# KiCad board RUST_Motherboard.pro.kicad_pcb (continued)
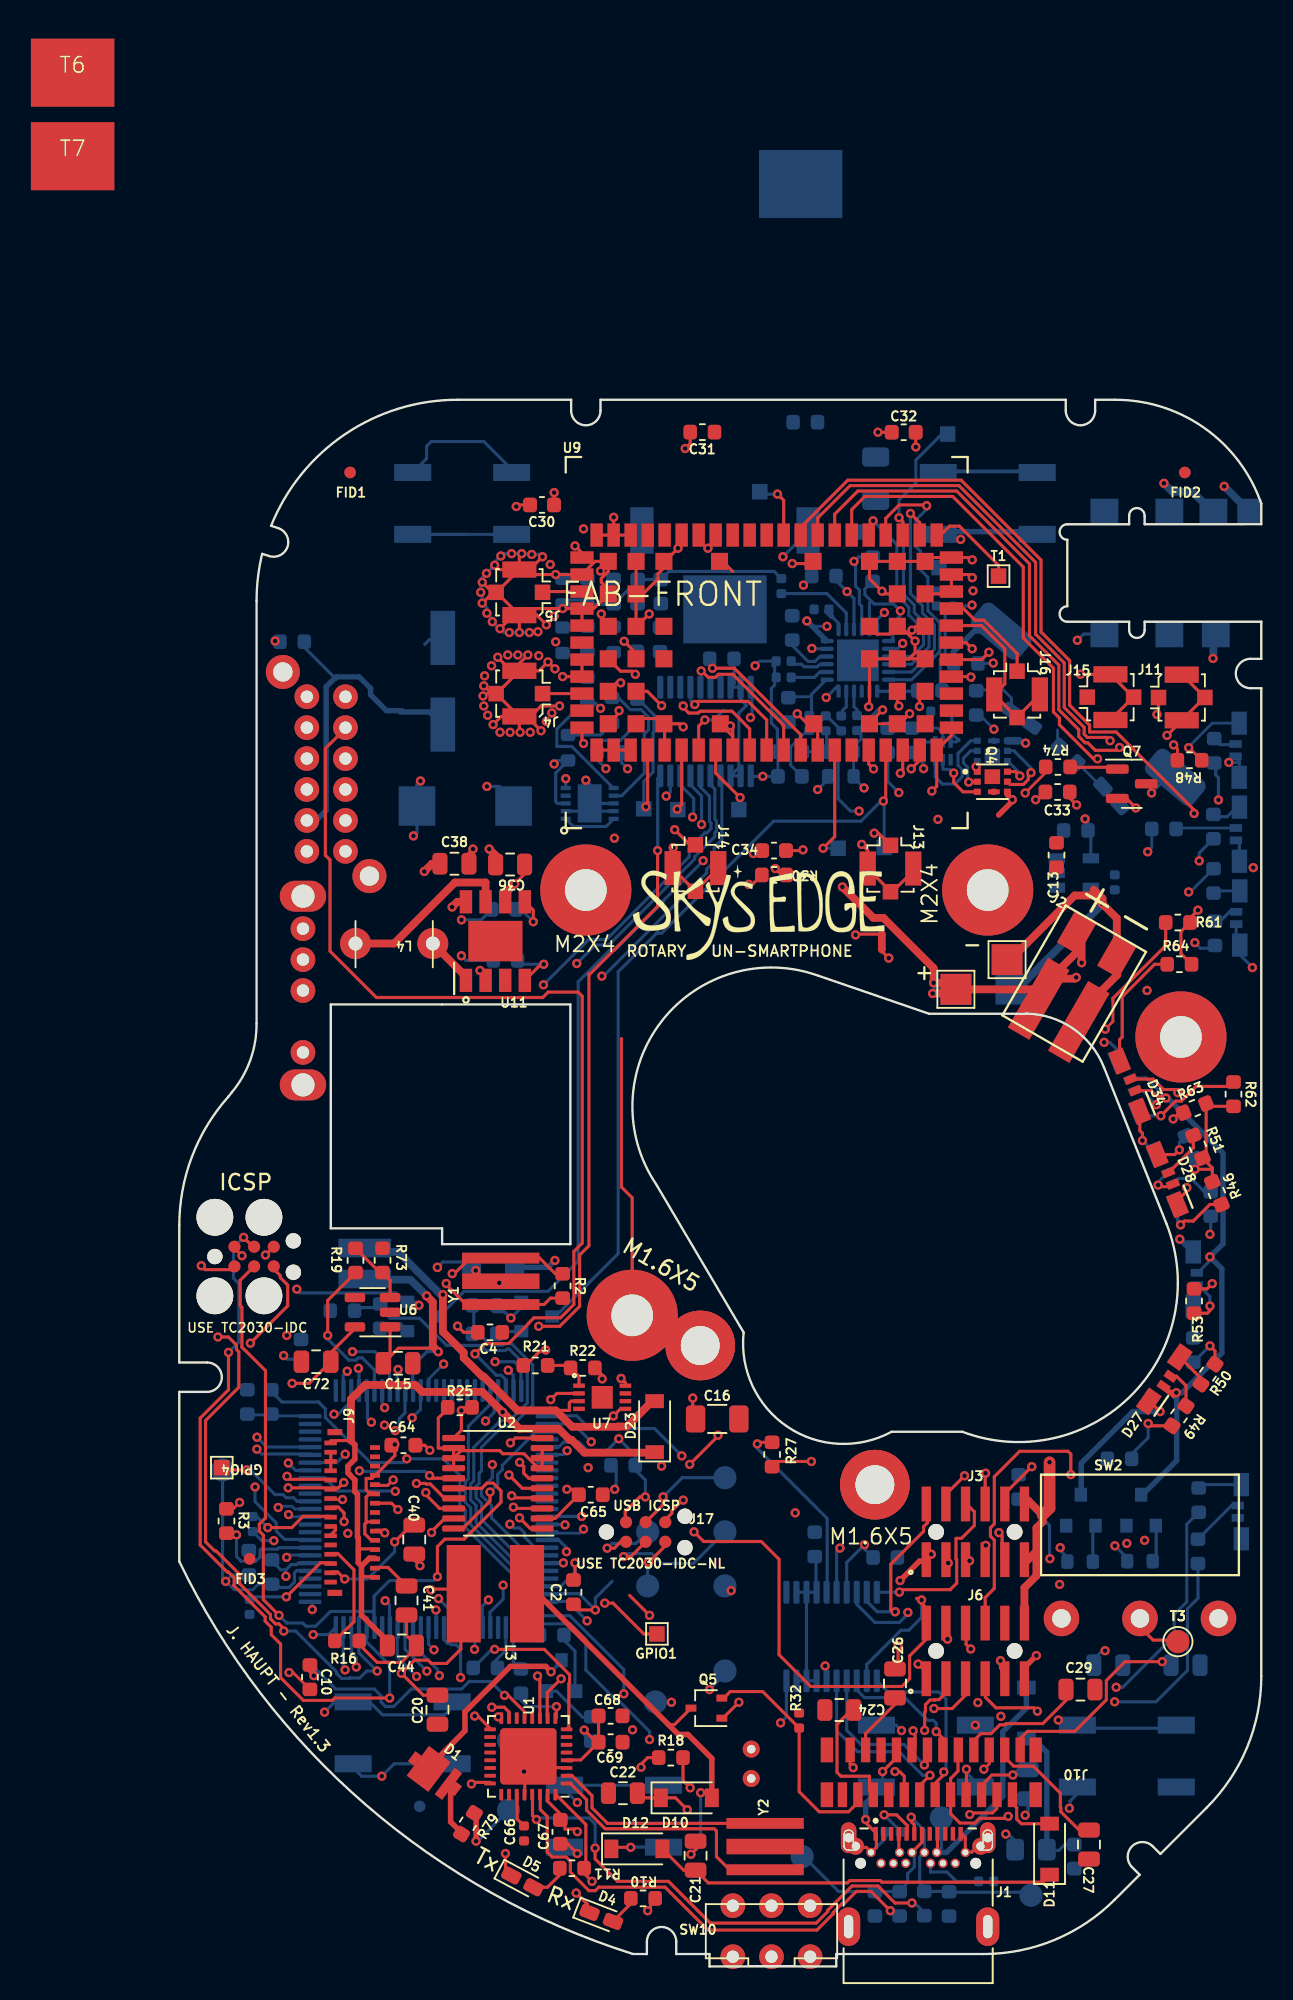
[diagram p0: board, top side]
## Library data of the parts
3V8 16MISO1 16MOSI1 16RES1 16SCK1 GND1 GPIO1 GPIO4 MISO1 MOSI1 RES1 SCK1 T1-T3 T8-T15 USBD+1 USBD-1 VBUS1 = -: Description: test point (alternative shape)
C1 C47 C62 C63 = -: Description: Unpolarized capacitor; Mfg. Name: Kemet; Mfg. Part No.: C0603C270J5GACTU
C2-C6 C10 = -: Description: Unpolarized capacitor; Distrib Part No.: 1276-1000-1-ND; Distrib. Name: Digi-Key; Label: 50V; Mfg. Name: Walsin; Mfg. Part No.: 0603B104K250CT
C7 C33 C49 C60 C61 C68 C69 = -: Description: Unpolarized capacitor; Mfg. Name: Walsin; Mfg. Part No.: 0603B103K500CT
C8 C9 = -: Description: Unpolarized capacitor; Distrib Part No.: 399-7918-1-ND; Distrib. Name: Digi-Key; Mfg. Name: Samsung; Mfg. Part No.: CL10C470JB8NNNC
C11 C18 C19 C34 C39 C42 C56 C64 C65 C67 = -: Description: Unpolarized capacitor; Mfg. Name: Walsin; Mfg. Part No.: 0603B104K250CT
C12 C13 = -: Description: Unpolarized capacitor; Mfg. Name: Samsung; Mfg. Part No.: CL10A475KQ8NNNC
C14 = -: Field8: CHRG. CAP.; Mfg. Name: Wurth; Mfg. Part No.: 865080243007
C15 C36 C38 C40 C72 = -: Description: Unpolarized capacitor; Mfg. Name: Kemet; Mfg. Part No.: C0805C105K4RACTU
C16 C17 C57 = -: Description: Unpolarized capacitor; Mfg. Name: TDK; Mfg. Part No.: CGA5L1X7R1V106K160AC
C20-C22 = -: Description: Unpolarized capacitor; Mfg. Name: Samsung; Mfg. Part No.: CL21A475KBQNNNE
C23-C29 = -: Description: Unpolarized capacitor; Mfg. Name: Yageo; Mfg. Part No.: CC0805KKX7R9BB105
C30 = -: Description: Unpolarized capacitor; Mfg. Name: Murata; Mfg. Part No.: GRM1555C1H680JA01J
C31 = -: Description: Unpolarized capacitor; Mfg. Name: Walsin; Mfg. Part No.: 0603N150J500CT
C32 = -: Description: Unpolarized capacitor; Mfg. Name: Yageo; Mfg. Part No.: CC0402DRNPO9BN8R2
C35 = -: Description: Unpolarized capacitor; Mfg. Name: Kemet; Mfg. Part No.: T520D337M006ATE045
C41 C44 = -: Description: Unpolarized capacitor; Mfg. Name: Kemet; Mfg. Part No.: C0805C475K3PACTU
C43 C45 C51-C53 C55 C58 C59 C66 = -: Description: Unpolarized capacitor; Mfg. Name: Kemet; Mfg. Part No.: C0402C105K9PACTU
C50 C54 = -: Description: Unpolarized capacitor; Mfg. Name: Kemet; Mfg. Part No.: C0603C225K9PACTU
D1 = -: Description: Light emitting diode; Color: WHITE; Mfg. Name: Osram; Mfg. Part No.: KW DSLP31.CC-GXHX-4J8K-Z444-60-R18
D2 = -: Description: Light emitting diode; Color: AMBER; Distrib Part No.: 1830-1066-1-ND; Distrib. Name: DigiKey; Mfg. Name: Inolux; Mfg. Part No.: IN-S63AT5Y
D3 = -: Description: Schottky diode; Distrib Part No.: MBR130T3GOSCT-ND; Distrib. Name: DigiKey; Mfg. Name: ON Semiconductor; Mfg. Part No.: MBR130T3G
D4 = -: Description: Light emitting diode; Color: Rx/GREEN; Distrib Part No.: 475-3442-1-ND‎; Distrib. Name: DigiKey; Mfg. Name: OSRAM; Mfg. Part No.: LT Q39G-Q1OO-25-1
D5 = -: Description: Light emitting diode; Color: Tx/YELLOW; Distrib Part No.: 1830-1066-1-ND‎; Distrib. Name: DigiKey; Mfg. Name: Inolux; Mfg. Part No.: IN-S63AT5Y
D6 = -: Description: Light emitting diode; Color: WHITE
D10-D12 = -: Description: 30V 0.5A Schottky Power Rectifier Diode, SOD-123; Mfg. Name: ON Semi; Mfg. Part No.: MBR0530
D16-D18 = -: Description: Bidirectional transient-voltage-suppression diode; Mfg. Name: AVX; Mfg. Part No.: USB0001DP
D22 = -: Description: Light emitting diode; Alt. Part No.: LTST-C191TBKT; Color: TEAL; Mfg. Name: Rohm; Mfg. Part No.: SMLE13EC8TT86
D23 = -: Description: 60V, 1A very low Vf MEGA Schottky barrier rectifier, SOD-123F; Mfg. Name: Nexperia; Mfg. Part No.: PMEG2005EGWJ
D25-D34 = -: Mfg. Name: Dialight; Mfg. Part No.: 5988560207F
J1 = -: Mfg. Name: CUI; Mfg. Part No.: UJ31-CH-G1-SMT-TR
J2 = -: Description: Generic connector, single row, 01x02, script generated (kicad-library-utils/schlib/autogen/connector/); Mfg. Name: Wago; Mfg. Part No.: 2059-302/998-403
J3 J6 = -: Description: Generic connector, single row, 01x12, script generated (kicad-library-utils/schlib/autogen/connector/); Mfg. Name: Samtec; Mfg. Part No.: FTSH-106-01-L-DV-P-TR
J4 J5 J11 J13-J16 = -: Description: coaxial connector (BNC, SMA, SMB, SMC, Cinch/RCA, LEMO, ...); Mfg. Name: Molex; Mfg. Part No.: 0734120110
J7 J17 = -: Description: Generic connector, double row, 02x03, counter clockwise pin numbering scheme (similar to DIP packge numbering), script generated (kicad-library-utils/schlib/autogen/connector/); Label: ICSP; Mfg. Name: Tag-Connect; Mfg. Part No.: Mating Connector: TC2030-IDC
J8 = -: Label: TRRS JACK; Mfg. Name: CUI; Mfg. Part No.: SJ-43617-SMT-TR
J9 = -: Description: Generic connector, single row, 01x31, script generated (kicad-library-utils/schlib/autogen/connector/); Alt. Mfg. Name: or Hirose; Alt. Mfg. Par No.: FH26W-31S-0.3SHW(60); Mfg. Name: Crystalfontz; Mfg. Part No.: CS030Z31G-A0
J10 = -: Description: Generic connector, single row, 01x24, script generated (kicad-library-utils/schlib/autogen/connector/); Mfg. Name: Molex; Mfg. Part No.: 0525592452
L1 = -: Distrib Part No.: 240-2390-1-ND; Distrib. Name: DigiKey; Label: Ferrite Bead; Mfg. Name: Laird; Mfg. Part No.: MI0805K601R-10
L2 = -: Description: Inductor; Mfg. Name: Wurth; Mfg. Part No.: 74438336047
L3 = -: Description: Inductor; Mfg. Name: Wurth; Mfg. Part No.: 744053100
L4 = -: Description: Inductor; Mfg. Name: Murata; Mfg. Part No.: 13R686C
L6-L8 = -: Mfg. Name: Murata; Mfg. Part No.: BLM15HD182SN1D
LOGO1 LOGO2 = -: Description: Open Hardware logo, small
LS1 = -: Description: Speaker; Mfg. Name: PUI Audio; Mfg. Part No.: AR01232MS-SC12-WP-R
MH1 MH3 MH4 MH8 = -: Description: Mounting Hole with connection
MH9 MH10 = -: Description: Mounting Hole without connection; Mfg. Name: PEM; Mfg. Part No.: SMTSO-M1.6-1ET
MK1 = -: Description: Condenser microphone; Mfg. Name: PUI Audio; Mfg. Part No.: POM-2738P-R
Q1 Q2 = -: Description: N-MOSFET transistor, gate/source/drain; Mfg. Name: Diodes Incorporated; Mfg. Part No.: DMG2302UK-7
Q3 Q4 = -: Mfg. Name: TI; Mfg. Part No.: CSD16301Q2
Q5 = -: Description: N-MOSFET transistor, gate/source/drain; Alt. Part No.: NX3020NAKW,115; Mfg. Name: Vishay; Mfg. Part No.: SI1308EDL-T1-GE3
Q6-Q9 = -: Description: 0.2A Ic, 40V Vce, Small Signal NPN Transistor, SOT-23; Mfg. Name: Fairchild
R1 R18 R25 R28 R30 R33 R39 R75 = -: Description: Resistor, US symbol; Mfg. Name: TE; Mfg. Part No.: CRG0603F10K/10
R2 = -: Description: Resistor, US symbol; Distrib Part No.: 311-1.00MHRCT-ND; Distrib. Name: Digi-Key; Mfg. Name: TE; Mfg. Part No.: CRGCQ0603J1M0
R3 R6 R7 = -: Description: Resistor, US symbol; Distrib Part No.: RMCF0603JT27R0CT-ND; Distrib. Name: Digi-Key; Mfg. Name: TE; Mfg. Part No.: CRG0603F27R
R4 R5 = -: Description: Resistor, US symbol; Mfg. Name: Yageo; Mfg. Part No.: RC0402FR-075K1L
R8-R11 = -: Description: Resistor, US symbol; Distrib Part No.: P1.0KGCT-ND; Distrib. Name: Digi-Key; Mfg. Name: KOA; Mfg. Part No.: RK73H1JTTD1001F
R12 = -: Description: Resistor, US symbol; Mfg. Name: Yageo; Mfg. Part No.: RC0603JR-07330RL
R13 R38 = -: Description: Resistor, US symbol; Mfg. Name: TE; Mfg. Part No.: CRGCQ0402J2K2
R14 = -: Description: Resistor, US symbol; Label: Hi Rate; Mfg. Name: TE; Mfg. Part No.: CRGCQ0402J2K2
R15 = -: Description: Resistor, US symbol; Mfg. Name: Panasonic; Mfg. Part No.: ERJ-3GEYJ100V
R16 = -: Description: Resistor, US symbol; Mfg. Name: Panasonic; Mfg. Part No.: ERJ-3GEYJ514V
R17 R45-R64 = -: Description: Resistor, US symbol; Distrib Part No.: A130092CT-ND; Distrib. Name: Digi-Key; Mfg. Name: Yageo; Mfg. Part No.: RC0603JR-071K5L
R19 R20 R40 R65 = -: Description: Resistor, US symbol; Mfg. Name: Yageo; Mfg. Part No.: RC0603FR-07100RL
R21 = -: Description: Resistor, US symbol; Mfg. Name: Stackpole; Mfg. Part No.: RMCF0603FT1M05
R22 R26 R27 = -: Description: Resistor, US symbol; Mfg. Name: Vishay; Mfg. Part No.: CRCW0603120KJNEA
R23 R24 R34 R41 R73 = -: Description: Resistor, US symbol; Mfg. Name: TE; Mfg. Part No.: CRGCQ0603J1M0
R29 R42 R43 R67-R71 R74 R78 = -: Description: Resistor, US symbol; Mfg. Name: KOA; Mfg. Part No.: RK73H1JTTD1001F
R32 = -: Description: Resistor, US symbol; Mfg. Name: Panasonic; Mfg. Part No.: ERJ-2BQJR47X; Note: SETS COMPATIBILITY FOR GDEW029I6F
R35 R66 R72 = -: Description: Resistor, US symbol; Mfg. Name: Bourns; Mfg. Part No.: CR0603-J/-000ELF
R36 R37 = -: Description: Resistor, US symbol; Mfg. Name: TE; Mfg. Part No.: CRG0603F4K7
R44 = -: Description: Resistor, US symbol; Mfg. Name: Vishay; Mfg. Part No.: CRCW0603160RFKEA
R79 = -: Description: Resistor, US symbol; Mfg. Name: TE; Mfg. Part No.: CRGCQ0603F18R
SW1 = -: Distrib Part No.: CKN9561-ND; Distrib. Name: DigiKey; Label: Mode; Mfg. Name: C&K; Mfg. Part No.: OS103011MA7QP1
SW2 = -: Mfg. Name: Omron; Mfg. Part No.: D2F-01FL2-A1
SW3 SW5 SW6 SW8 = -: Description: Push button switch, generic, two pins; Label: SIG STRENGTH; Mfg. Name: Panasonic; Mfg. Part No.: EVQ-Q2Y03W
SW4 = -: Description: Push button switch, generic, two pins; Label: CLEAR; Mfg. Name: Panasonic; Mfg. Part No.: EVQ-Q2Y03W
SW7 = -: Description: Push button switch, generic, two pins; Label: HOOK; Mfg. Name: Panasonic; Mfg. Part No.: EVQ-Q2Y03W
SW9 = -: Mfg. Name: E-Switch; Mfg. Part No.: EG4208
SW10 = -: Mfg. Name: Nidec Copal; Mfg. Part No.: CL-SB-22C-11
T4-T7 = -: Description: SMT Cable Clip; Mfg. Name: Harwin; Mfg. Part No.: S8101-46R
TP1-TP4 = -: Description: test point
U1 = -: Mfg. Name: ATmega; Mfg. Part No.: ATmega16U2-MU
U2 U8 = -: Label: (3.8V -> 3.3V SHIFTER); Mfg. Name: TI
U3 = -: Description: Voltage and Current Protection for Single-Cell Li-Ion and Li-Polymer Batteries; Mfg. Name: TI; Mfg. Part No.: BQ29703DSET
U4 = -: Distrib Part No.: ATMEGA1280-16AUR; Distrib. Name: Digi-Key; Mfg. Name: Microchip Technology; Mfg. Part No.: ATMEGA2560V-8AUR
U5 = -: Description: Single cell, Li-Ion/Li-Po charge management controller, 4.20V, Tri-State Status Output, in SOT23-5 package; Mfg. Name: Microchip; Mfg. Part No.: MCP73831T-2ACI/OT
U6 = -: Description: 600mA low dropout linear regulator, with enable pin, 3.8V-6V input voltage range, 3.3V fixed positive output, SOT-23-5; Mfg. Name: Diodes Inc.
U7 = -: Mfg. Name: Microchip; Mfg. Part No.: MCP1661T-E/MNY
U9 = -: Mfg. Name: u-blox
U10 = -: Label: (3.8V -> 1.8V SHIFTER); Mfg. Name: TI
U11 = -: Mfg. Name: Diodes Inc.; Mfg. Part No.: ZXBM5210-SP-13 or BA6287F-E2
U12 = -: Mfg. Name: Maxim; Mfg. Part No.: MAX9860ETG+
U13 = -: Description: Dual Rail-to-Rail Input/Output Amplifiers, with disable, SC-70-6/SOT-23-6; Mfg. Name: Analog; Mfg. Part No.: ADA4807-2ACPZ-R7
Y1 Y2 = -: Description: Three pin ceramic resonator; Label: 16MHz; Mfg. Name: Abracon; Mfg. Part No.: AWSCR-16.00CV-T

## Footprints (pads in the part's own frame, mm; a bottom-side part is the same pattern mirrored in y, then rotated)
ATmega_TQFP-100_14x14mm_P0.5mm
  rrect 1.475x0.28 smd: 1(7.662,-6) 2(7.662,-5.5) 3(7.662,-5) 4(7.662,-4.5) 5(7.662,-4) 6(7.662,-3.5) 7(7.662,-3) 8(7.662,-2.5) 9(7.662,-2) 10(7.662,-1.5) 11(7.662,-1) 12(7.662,-0.5) 13(7.662,0) 14(7.662,0.5) 15(7.662,1) 16(7.662,1.5) 17(7.662,2) 18(7.662,2.5) 19(7.662,3) 20(7.662,3.5) 21(7.662,4) 22(7.662,4.5) 23(7.662,5) 24(7.662,5.5) 25(7.662,6) 51(-7.662,6) 52(-7.662,5.5) 53(-7.662,5) 54(-7.662,4.5) 55(-7.662,4) 56(-7.662,3.5) 57(-7.662,3) 58(-7.662,2.5) 59(-7.662,2) 60(-7.662,1.5) 61(-7.662,1) 62(-7.662,0.5) 63(-7.662,0) 64(-7.662,-0.5) 65(-7.662,-1) 66(-7.662,-1.5) 67(-7.662,-2) 68(-7.662,-2.5) 69(-7.662,-3) 70(-7.662,-3.5) 71(-7.662,-4) 72(-7.662,-4.5) 73(-7.662,-5) 74(-7.662,-5.5) 75(-7.662,-6)
  rrect 0.28x1.475 smd: 26(6,7.662) 27(5.5,7.662) 28(5,7.662) 29(4.5,7.662) 30(4,7.662) 31(3.5,7.662) 32(3,7.662) 33(2.5,7.662) 34(2,7.662) 35(1.5,7.662) 36(1,7.662) 37(0.5,7.662) 38(0,7.662) 39(-0.5,7.662) 40(-1,7.662) 41(-1.5,7.662) 42(-2,7.662) 43(-2.5,7.662) 44(-3,7.662) 45(-3.5,7.662) 46(-4,7.662) 47(-4.5,7.662) 48(-5,7.662) 49(-5.5,7.662) 50(-6,7.662) 76(-6,-7.662) 77(-5.5,-7.662) 78(-5,-7.662) 79(-4.5,-7.662) 80(-4,-7.662) 81(-3.5,-7.662) 82(-3,-7.662) 83(-2.5,-7.662) 84(-2,-7.662) 85(-1.5,-7.662) 86(-1,-7.662) 87(-0.5,-7.662) 88(0,-7.662) 89(0.5,-7.662) 90(1,-7.662) 91(1.5,-7.662) 92(2,-7.662) 93(2.5,-7.662) 94(3,-7.662) 95(3.5,-7.662) 96(4,-7.662) 97(4.5,-7.662) 98(5,-7.662) 99(5.5,-7.662) 100(6,-7.662)
AudioJack_TRRS_CUI_SJ-43617-SMT-TR
  rect 1.6x1.6 smd: 1(-3.8,4)
  rect 1.8x1.6 smd: 2(5.6,-4) 3(1.4,-4) 4(-1.6,-4) 10(5.6,4) 11(1.4,4) 12(-1.45,4)
AWSCR-16.00CV-T
  rect 0.7x5 smd: 1(-1.5,0) 3(1.5,0)
  rect 1x5 smd: 2(0,0)
BoostConverter_MCP1661
  rect 1.36x1.46 smd: (0,0)
  rect 0.75x0.28 smd: 1(-1.5,0.75) 2(-1.5,0.25) 3(-1.5,-0.25) 4(-1.5,-0.75) 5(1.5,-0.75) 6(1.5,-0.25) 7(1.5,0.25) 8(1.5,0.75)
BournsInductor_RLB9012-472KL
  round 2 hole 0.9: 1(-2.5,-0.04) 2(2.5,-0.04)
C_0402_1005Metric
  rrect 0.59x0.64 smd: 1(-0.485,0) 2(0.485,0)
C_0603_1608Metric
  rrect 0.9x0.95 smd: 1(-0.775,0) 2(0.775,0)
C_0805_2012Metric
  rrect 0.975x1.4 smd: 1(-0.938,0) 2(0.938,0)
C_0805_2012Metric#2
  rrect 1x1.45 smd: 1(-0.95,0) 2(0.95,0)
C_2917
  rect 2.37x2.55 smd: 1(3.125,-0.05) 2(-3.125,-0.05)
CableClip_Harwin-S8101-46R
  rect 5.4x4.4 smd: 1(0,0)
Capacitor_Wurth865080243007
  rect 3.5x1.6 smd: 1(2.8,0) 2(-2.8,0)
CellModule_LARA
  rect 0.8x1.5 smd: 1(-11,-6.95) 2(-9.9,-6.95) 3(-8.8,-6.95) 4(-7.7,-6.95) 5(-6.6,-6.95) 6(-5.5,-6.95) 7(-4.4,-6.95) 8(-3.3,-6.95) 9(-2.2,-6.95) 10(-1.1,-6.95) 11(0,-6.95) 12(1.1,-6.95) 13(2.2,-6.95) 14(3.3,-6.95) 15(4.4,-6.95) 16(5.5,-6.95) 17(6.6,-6.95) 18(7.7,-6.95) 19(8.8,-6.95) 20(9.9,-6.95) 21(11,-6.95) 33(11,6.95) 34(9.9,6.95) 35(8.8,6.95) 36(7.7,6.95) 37(6.6,6.95) 38(5.5,6.95) 39(4.4,6.95) 40(3.3,6.95) 41(2.2,6.95) 42(1.1,6.95) 43(0,6.95) 44(-1.1,6.95) 45(-2.2,6.95) 46(-3.3,6.95) 47(-4.4,6.95) 48(-5.5,6.95) 49(-6.6,6.95) 50(-7.7,6.95) 51(-8.8,6.95) 52(-9.9,6.95) 53(-11,6.95)
  rect 1.5x0.8 smd: 22(11.95,-5.5) 23(11.95,-4.4) 24(11.95,-3.3) 25(11.95,-2.2) 26(11.95,-1.1) 27(11.95,0) 28(11.95,1.1) 29(11.95,2.2) 30(11.95,3.3) 31(11.95,4.4) 32(11.95,5.5) 54(-11.95,5.5) 55(-11.95,4.4) 56(-11.95,3.3) 57(-11.95,2.2) 58(-11.95,1.1) 59(-11.95,0) 60(-11.95,-1.1) 61(-11.95,-2.2) 62(-11.95,-3.3) 63(-11.95,-4.4) 64(-11.95,-5.5)
  rect 1.1x1.1 smd: 65(-10.25,-5.25) 66(-10.25,-3.15) 67(-10.25,-1.05) 68(-10.25,1.05) 69(-10.25,3.15) 70(-10.25,5.25) 71(-8.45,-5.25) 72(-8.45,-3.15) 73(-8.45,-1.05) 74(-8.45,1.05) 75(-8.45,3.15) 76(-8.45,5.25) 77(-6.65,-5.25) 78(-6.65,5.25) 79(-3,-5.25) 80(-3.05,5.25) 81(3.05,-5.25) 82(3,5.25) 83(6.65,-5.25) 84(6.65,5.25) 85(8.45,-5.25) 86(8.45,-3.15) 87(8.45,-1.05) 88(8.45,1.05) 89(8.45,3.15) 90(8.45,5.25) 91(10.25,-5.25) 92(10.25,-3.15) 93(10.25,-1.05) 94(10.25,1.05) 95(10.25,3.15) 96(10.25,5.25) 97(-6.65,-1.05) 98(-6.65,1.05) 99(6.65,-1.05) 100(6.65,1.05)
ContactPad_SMTSO-M2-3ET
  round 5.9 hole 2.7: 1(0,0)
D_SOD-123
  rect 0.9x1.2 smd: 1(-1.65,0) 2(1.65,0)
DFN-10-1EP_3x3mm_P0.5mm_EP1.55x2.48mm
  rect 0.6x1.05 smd: (-0.388,-0.62) (-0.388,0.62) (0.388,-0.62) (0.388,0.62)
  rect 0.65x0.28 smd: 1(-1.55,1) 2(-1.55,0.5) 3(-1.55,0) 4(-1.55,-0.5) 5(-1.55,-1) 6(1.55,-1) 7(1.55,-0.5) 8(1.55,0) 9(1.55,0.5) 10(1.55,1)
  rect 1.55x2.48 smd: 11(0,0)
Fiducial_0.75mm_1.5mm
  round 0.75 smd: ~(0,0)
FilamentLED_20mm
  rrect 4x2 smd: 1(-6.7,0) 2(8,0)
Hirose_FPC_FH26W-31S-0.3SHW(60)
  rect 0.4x0.95 smd: (-5.2,1.125) (5.2,1.125)
  rect 0.3x0.8 smd: 1(-4.5,1.4) 3(-3.9,1.4) 5(-3.3,1.4) 7(-2.7,1.4) 9(-2.1,1.4) 11(-1.5,1.4) 13(-0.9,1.4) 15(-0.3,1.4) 17(0.3,1.4) 19(0.9,1.4) 21(1.5,1.4) 23(2.1,1.4) 25(2.7,1.4) 27(3.3,1.4) 29(3.9,1.4) 31(4.5,1.4)
  rect 0.3x0.65 smd: 2(-4.2,-1.475) 4(-3.6,-1.475) 6(-3,-1.475) 8(-2.4,-1.475) 10(-1.8,-1.475) 12(-1.2,-1.475) 14(-0.6,-1.475) 16(0,-1.475) 18(0.6,-1.475) 20(1.2,-1.475) 22(1.8,-1.475) 24(2.4,-1.475) 26(3,-1.475) 28(3.6,-1.475) 30(4.2,-1.475)
Inductor10uH_Wurth_744053100
  rect 6.3x2.2 smd: 1(0,-2.05) 2(0,2.05)
Inductor_Wurth_74438336100
  rect 3.4x1.2 smd: 1(0,-0.95) 2(0,1.05)
L_0402_1005Metric
  rrect 0.59x0.64 smd: 1(-0.485,0) 2(0.485,0)
LED_0603_1608Metric_Castellated
  rrect 1.225x0.85 smd: 1(-0.812,0) 2(0.812,0)
LED_Dialight_5988560207F
  rect 0.5x0.8 smd: 1(0.4,0) 2(-0.4,0)
  rect 1.5x1 smd: 3(1.75,0.23) 4(-1.75,0.23)
LED_Dialight_5988560207F#2
  rect 0.5x0.8 smd: 1(0.4,-0.225) 2(-0.4,-0.225)
  rect 1.5x1 smd: 3(1.75,0.005) 4(-1.75,0.005)
LimitSwitch_D2F-01FL2-A1
  round 2.3 hole 1.2: 1(5.08,-4.3) 2(0,-4.3) 3(-5.08,-4.3)
Microphone_PUI_POM-2738P-R
  round 1.1 hole 0.55: 1(-0.95,0.8) 2(0.95,0.8)
Molex_24pFPC_Vert_0525592452
  rect 0.8x1.6 smd: (-7,1.5) (-7,-1.4) (6.5,1.5) (6.5,-1.4)
  rect 0.6x1.6 smd: 1(5.5,1.5) 2(5,-1.4) 3(4.5,1.5) 4(4,-1.4) 5(3.5,1.5) 6(3,-1.4) 7(2.5,1.5) 8(2,-1.4) 9(1.5,1.5) 10(1,-1.4) 11(0.5,1.5) 12(0,-1.4) 13(-0.5,1.5) 14(-1,-1.4) 15(-1.5,1.5) 16(-2,-1.4) 17(-2.5,1.5) 18(-3,-1.4) 19(-3.5,1.5) 20(-4,-1.4) 21(-4.5,1.5) 22(-5,-1.4) 23(-5.5,1.5) 24(-6,-1.4)
NetTie-2_SMD_Pad0.5mm
  round 0.5 smd: 1(-0.5,0) 2(0.5,0)
Osram_1212
  rect 0.5x0.8 smd: 1(-1.625,0) 2(1.65,0)
  rect 1.75x2.4 smd: 1(-0.5,0)
  rect 0.6x2.15 smd: 2(1.1,0)
QFN-32-1EP_5x5mm_P0.5mm_EP3.65x3.65mm
  rrect 0.98x0.98 smd: (-1.24,1.24) (-1.24,0.02) (-1.24,-1.2) (-0.02,1.24) (-0.02,0.02) (-0.02,-1.2) (1.2,1.24) (1.2,0.02) (1.2,-1.2)
  rrect 0.25x0.75 smd: 1(-1.77,-2.455) 2(-1.27,-2.455) 3(-0.77,-2.455) 4(-0.27,-2.455) 5(0.23,-2.455) 6(0.73,-2.455) 7(1.23,-2.455) 8(1.73,-2.455) 17(1.73,2.495) 18(1.23,2.495) 19(0.73,2.495) 20(0.23,2.495) 21(-0.27,2.495) 22(-0.77,2.495) 23(-1.27,2.495) 24(-1.77,2.495)
  rrect 0.75x0.25 smd: 9(2.455,-1.73) 10(2.455,-1.23) 11(2.455,-0.73) 12(2.455,-0.23) 13(2.455,0.27) 14(2.455,0.77) 15(2.455,1.27) 16(2.455,1.77) 25(-2.495,1.77) 26(-2.495,1.27) 27(-2.495,0.77) 28(-2.495,0.27) 29(-2.495,-0.23) 30(-2.495,-0.73) 31(-2.495,-1.23) 32(-2.495,-1.73)
  rrect 3.65x3.65 smd: 33(-0.02,0.02)
R_0402_1005Metric
  rrect 0.59x0.64 smd: 1(-0.485,0) 2(0.485,0)
R_0603_1608Metric
  rrect 0.875x0.95 smd: 1(-0.787,0) 2(0.787,0)
R_0603_1608Metric#2
  rrect 0.8x0.95 smd: 1(-0.825,0) 2(0.825,0)
R_0805_2012Metric_Pad1.15x1.40mm_HandSolder
  rrect 1.15x1.4 smd: 1(-1.025,0) 2(1.025,0)
R_1206_3216Metric
  rrect 1.25x1.75 smd: 1(-1.4,0) 2(1.4,0)
Samtec_2x6Header_FTSH-106-01-L-DV
  round 1.02 hole 1.02 unplated: (-2.54,0) (2.54,0)
  rect 0.6x2.25 smd: 1(-3.175,-1.8) 2(-3.175,1.8) 3(-1.9,-1.8) 4(-1.905,1.8) 5(-0.635,-1.8) 6(-0.635,1.8) 7(0.635,-1.8) 8(0.635,1.8) 9(1.905,-1.8) 10(1.905,1.8) 11(3.175,-1.8) 12(3.175,1.8)
SMTSO-M1.6-1ET
  round 4.5 hole 2.5: 1(0,0.05) 1(0,0.05)
SO-8EP
  rect 0.8x1.5 smd: 1(-1.905,-2.54) 2(-0.635,-2.54) 3(0.635,-2.54) 4(1.905,-2.54) 5(1.905,2.54) 6(0.635,2.54) 7(-0.635,2.54) 8(-1.905,2.54)
  rect 3.5x2.61 smd: 9(0,0)
SOT-23
  rrect 1.475x0.6 smd: 1(-0.938,0.95) 2(-0.938,-0.95) 3(0.938,0)
SOT-23#2
  rect 0.9x0.8 smd: 1(1,-0.925) 2(1,0.975) 3(-1,0.025)
SOT-23-5
  rrect 1.325x0.6 smd: 1(-1.137,0.95) 2(-1.137,0) 3(-1.137,-0.95) 4(1.137,-0.95) 5(1.137,0.95)
SOT-23-5#2
  rect 1.06x0.65 smd: 1(1.125,-0.9) 2(1.125,0.05) 3(1.125,1) 4(-1.075,1) 5(-1.075,-0.9)
SOT-323_SC-70
  rect 0.7x0.45 smd: 1(-1,0.65) 2(-1,-0.65) 3(1,0)
SP3T_OS103011MA7QP1
  oval 2x3 hole 1.5: (-6.1,0) (6.1,0)
  round 1.6 hole 0.8: 1(-4,0) 2(0,0) 3(2,0) 4(4,0)
Speaker_PUI_AR01232MS-SC12-WP-R
  rect 1.5x3 smd: 1(-5.375,-2.25) 2(5.375,-2.25)
Switch_4PDT_ESwitch-EG4208
  round 2.2 hole 1.25: (-6.6,2.8) (6.6,-2.8)
  round 1.6 hole 0.8: 1(-5,1.25) 2(-3,1.25) 3(-1,1.25) 4(1,1.25) 5(3,1.25) 6(5,1.25) 7(-5,-1.25) 8(-3,-1.25) 9(-1,-1.25) 10(1,-1.25) 11(3,-1.25) 12(5,-1.25)
Switch_DPDT_Nidec_CL-SB-22C-XX
  round 1.6 hole 0.8: 1(-2.5,-1.65) 2(0,-1.65) 3(2.5,-1.65) 4(-2.5,1.65) 5(0,1.65) 6(2.5,1.65)
TactileSwitch_Panasonic_EVQ-Q2Y03W
  rect 2.4x1.1 smd: 1(-3.2,2) 1(3.2,2) 2(-3.2,-2) 2(3.2,-2)
Tag-Connect_TC2030-IDC
  round 2.375 hole 2.375 unplated: (0,2.54) (0,-2.54) (3.175,2.54) (3.175,-2.54)
  round 0.991 hole 0.991 unplated: (0,0) (5.08,1.016) (5.08,-1.016)
  round 0.787 smd: 1(1.27,-0.635) 2(1.27,0.635) 3(2.54,-0.635) 4(2.54,0.635) 5(3.81,-0.635) 6(3.81,0.635)
Tag-Connect_TC2030-IDC_MINIMAL
  round 0.991 hole 0.991 unplated: (-2.4,0) (2.68,1.016) (2.68,-1.016)
  round 0.787 smd: 1(-1.13,-0.635) 2(-1.13,0.635) 3(0.14,-0.635) 4(0.14,0.635) 5(1.41,-0.635) 6(1.41,0.635)
TestPoint_Pad_1.0x1.0mm
  rect 1x1 smd: 1(0,0)
TestPoint_Pad_2.0x2.0mm
  rect 2x2 smd: 1(0,0)
TestPoint_Pad_D1.5mm
  round 1.5 smd: 1(0,0)
TI_CSD16301Q2
  rect 0.4x0.45 smd: 1(-0.65,-0.975) 2(0,-0.975) 3(0.65,-0.975) 4(0.65,0.975) 5(0,0.975) 6(-0.65,0.975)
  rect 0.4x0.3 smd: 7(0.65,0.095)
  rect 0.95x1 smd: 8(-0.325,0)
TSSOP-20_4.4x6.5mm_P0.65mm
  rrect 1.475x0.4 smd: 1(-2.862,2.925) 2(-2.862,2.275) 3(-2.862,1.625) 4(-2.862,0.975) 5(-2.862,0.325) 6(-2.862,-0.325) 7(-2.862,-0.975) 8(-2.862,-1.625) 9(-2.862,-2.275) 10(-2.862,-2.925) 11(2.862,-2.925) 12(2.862,-2.275) 13(2.862,-1.625) 14(2.862,-0.975) 15(2.862,-0.325) 16(2.862,0.325) 17(2.862,0.975) 18(2.862,1.625) 19(2.862,2.275) 20(2.862,2.925)
U.FL_Molex_MCRF_73412-0110_Vertical
  rect 1x1 smd: 1(-1.5,0) 2(1.5,0)
  rect 2.2x1.05 smd: 2(0,1.475) 2(0,-1.475)
USBC_CUI_UJ31-CH-G1-SMT-TR
  round 0.7 hole 0.7 unplated: (-3.725,2.595) (3.725,2.595)
  rect 0.28x0.89 smd: A1(-2.75,4.5) A2(-2.25,4.5) A3(-1.75,4.5) A4(-1.25,4.5) A5(-0.75,4.5) A6(-0.25,4.5) A7(0.25,4.5) A8(0.75,4.5) A9(1.25,4.5) A10(1.75,4.5) A11(2.25,4.5) A12(2.75,4.5)
  round 0.6 hole 0.4: B1(3.05,3.295) B2(2.4,2.595) B3(1.6,2.595) B4(1.2,3.295) B5(0.8,2.595) B6(0.4,3.295) B7(-0.4,3.295) B8(-0.8,2.595) B9(-1.2,3.295) B10(-1.6,2.595) B11(-2.4,2.595) B12(-3.05,3.295)
  oval 1x2 hole 0.6: S1(-4.5,4.245) S1(4.5,4.245)
  oval 1.5x2.5 hole 0.6x1.5: S1(-4.5,-1.505) S1(4.5,-1.505)
  round 1.1 hole 0.5: S1(-4.05,3.695) S1(4.05,3.695)
Wago_PokeInConnector
  rect 1.6x5.2 smd: 1(-1.55,3.3) 2(1.45,3.3)
  rect 1.6x2.3 smd: 1(-1.55,-1.6) 2(1.45,-1.6)
WQFN-24-1EP_4x4mm_P0.5mm_EP2.7x2.7mm
  rect 1.1x1.1 smd: (-0.7,-0.7) (-0.7,0.7) (0.7,-0.7) (0.7,0.7)
  custom 0.85x0.28 smd: 1(-1.69,1.25) 2(-1.69,0.75) 3(-1.69,0.25) 4(-1.69,-0.25) 5(-1.69,-0.75) 6(-1.69,-1.25) 13(1.69,-1.25) 14(1.69,-0.75) 15(1.69,-0.25) 16(1.69,0.25) 17(1.69,0.75) 18(1.69,1.25)
  custom 0.28x0.85 smd: 7(-1.25,-1.69) 8(-0.75,-1.69) 9(-0.25,-1.69) 10(0.25,-1.69) 11(0.75,-1.69) 12(1.25,-1.69) 19(1.25,1.69) 20(0.75,1.69) 21(0.25,1.69) 22(-0.25,1.69) 23(-0.75,1.69) 24(-1.25,1.69)
  rect 2.7x2.7 smd: 25(0,0)
WSON-6_1.5x1.5mm_P0.5mm
  rect 0.75x0.28 smd: 1(-0.575,0.5) 2(-0.575,0) 3(-0.575,-0.5) 4(0.575,-0.5) 5(0.575,0) 6(0.575,0.5)

## Nets
+1V8: C39.1 C56.1 C57.1 C58.1 C59.1 J6.11 R36.1 R37.1 R39.1 T12.1 U9.4 U10.1 U10.2 U12.6 U12.11 U12.13
+3V3: C19.1 C20.2 C43.2 C65.1 C72.1 J6.2 J9.12 J9.15 J10.15 J10.16 L3.1 U2.2 U6.5 U8.2
+3V8: 3V8.1 C3.1 C4.1 C5.1 C6.1 C15.1 C16.1 C18.1 C30.1 C31.1 C32.1 C33.1 C34.1 C35.1 C42.1 C64.1 C68.1 C69.1 J3.2 J3.3 J7.2 J17.2 L2.1 MH4.1 R1.2 R10.1 R11.1 R15.2 R18.2 R26.1 R27.1 R45.2 R46.2 R49.2 R50.2 R51.2 R52.2 R53.2 R54.2 R61.2 R62.2 R63.2 R64.2 R79.2 U1.4 U1.32 U2.19 U4.10 U4.31 U4.61 U4.80 U4.100 U6.1 U7.5 U8.19 U9.51 U9.52 U9.53 U10.19 U13.10
+12V: C17.1 C36.1 C38.2 C44.1 D23.1 J9.2 J9.6 J9.8 J9.31 R21.1 U11.2 U11.3 U11.6
/3v3_EN: R19.2 U4.56
/12v_EN: U4.57 U7.8
/EPAPER DRIVER/VDD: C29.1 J10.18
GND: C1.2 C2.2 C3.2 C4.2 C5.2 C6.2 C7.2 C8.2 C9.2 C12.2 C13.1 C14.2 C15.2 C16.2 C17.2 C18.2 C19.2 C20.1 C22.1 C23.2 C24.2 C25.2 C26.2 C27.2 C28.2 C29.2 C36.2 C38.1 C40.2 C41.2 C43.1 C44.2 C45.1 C58.2 C59.2 C64.2 C65.2 C66.2 C67.2 C68.2 C69.2 C72.2 D12.1 D22.1 D26.2 D26.4 D30.2 D30.4 D31.2 D31.4 D32.2 D32.4 GND1.1 J1.A1 J1.A12 J1.B1 J1.B12 J1.S1 J3.1 J3.10 J6.1 J7.6 J9.10 J9.11 J9.13 J9.14 J9.16 J9.20 J9.21 J9.24 J9.25 J9.26 J9.27 J9.28 J9.29 J10.8 J10.17 J17.6 MH1.1 NT2.1 Q1.2 Q2.2 Q4.4 Q6.2 Q7.2 Q8.2 Q9.2 R4.2 R5.2 R13.1 R14.1 R16.2 R22.2 R23.2 R24.2 R25.2 R28.2 R32.2 R34.2 R41.2 R73.1 R75.2 SW1.2 SW2.1 SW3.2 SW4.2 SW5.2 SW6.2 SW7.2 SW8.2 SW9.9 U1.3 U1.28 U1.33 U2.11 U4.11 U4.32 U4.62 U4.81 U4.99 U5.2 U6.2 U7.2 U7.7 U8.11 U11.8 U12.12 Y1.2 Y2.2
GNDA: C30.2 C31.2 C32.2 C33.2 C34.2 C35.2 C39.2 C42.2 C47.2 C49.2 C50.2 C51.2 C53.2 C54.2 C55.2 C56.2 C57.2 C60.2 C61.2 C62.2 C63.2 D16.2 D17.2 D18.2 J4.2 J5.2 J8.1 J11.2 NT2.2 R33.2 R35.2 U9.1 U9.2 U9.3 U9.5 U9.9 U9.14 U9.20 U9.21 U9.22 U9.30 U9.31 U9.32 U9.43 U9.44 U9.45 U9.46 U9.47 U9.48 U9.49 U9.50 U9.54 U9.55 U9.57 U9.58 U9.60 U9.61 U9.69 U9.70 U9.71 U9.72 U9.73 U9.74 U9.75 U9.76 U9.77 U9.78 U9.79 U9.80 U9.81 U9.82 U9.83 U9.84 U9.85 U9.86 U9.87 U9.88 U9.89 U9.90 U9.92 U9.93 U9.94 U9.95 U9.96 U9.99 U9.100 U10.11 U12.5 U12.24 U13.3 U13.4 U13.7 U13.11
VBUS: C12.1 C67.1 J6.3 L1.2 R17.2 U1.31 U5.4
+BATT: C13.2 J2.2 J3.11 J3.12 J6.12 R12.1 SW9.2 TP2.1 TP4.1 U5.3
/AREF: C2.1 U4.98
/AUDIO/BLCK: T8.1 U9.36 U12.18
/AUDIO/LRCLK: U9.34 U12.17
/AUDIO/MCLK: U9.19 U12.14
/AUDIO/SCL: R37.2 U9.27 U12.10
/AUDIO/SDA: R36.2 U9.26 U12.9
/AUDIO/SDIN: T11.1 U9.35 U12.16
/AUDIO/SDOUT: T10.1 U9.37 U12.15
/AUDIO/SPK+: LS1.1 R66.1
/AUDIO/SPK-: LS1.2 R72.1
/AUDIOAMP_EN: U4.82 U13.5 U13.6
/CELL MODEM/ANT1: J5.1 U9.56
/CELL MODEM/ANT2: J4.1 U9.62
/CELL MODEM/CTS_1v8: U9.11 U10.4
/CELL MODEM/DCD_1v8: T9.1 U9.8
/CELL MODEM/DSR_1v8: T2.1 U9.6
/CELL MODEM/NETSTAT: R30.1 U9.25
/CELL MODEM/RI_1v8: U9.7 U10.7
/CELL MODEM/RTS_1v8: U9.10 U10.3
/CELL MODEM/RXD_1v8: U9.13 U10.6
/CELL MODEM/SDIO-CLK: J14.1 U9.64
/CELL MODEM/SDIO-CMD: J14.2 U9.65
/CELL MODEM/SDIO-D0: J13.1 U9.66
/CELL MODEM/SDIO-D1: J13.2 U9.68
/CELL MODEM/SDIO-D2: J15.1 U9.63
/CELL MODEM/SDIO-D3: J15.2 U9.67
/CELL MODEM/TXD_1v8: U9.12 U10.5
/CELL MODEM/USB_D+: J16.1 U9.29
/CELL MODEM/USB_D-: J16.2 U9.28
/CELL MODEM/VSUB_DET: J11.1 U9.17
/CELL_CTS: U4.94 U10.17
/CELL_ON: R41.1 R65.2 U4.97
/CELL_PWR_DET: U4.95 U10.20
/CELL_RESET: R34.1 R40.2 U4.96
/CELL_RI: U4.18 U10.14
/CELL_RTS: U4.93 U10.18
/CELL_RXD: U4.45 U10.15
/CELL_TXD: U4.46 U10.16
/EPAPER DRIVER/EPD_CS_3v3: J10.12 U8.4
/EPAPER DRIVER/EPD_DC_3v3: J10.11 U8.5
/EPAPER DRIVER/EPD_MOSI_3v3: J10.14 U8.3
/EPAPER DRIVER/EPD_RES_3v3: J10.10 U8.6
/EPAPER DRIVER/EPD_SCK_3v3: J10.13 U8.1
/EPAPER DRIVER/GDR: J10.2 Q5.1
/EPAPER DRIVER/PREVGH: C22.2 D10.1 J10.21
/EPAPER DRIVER/PREVGL: D11.2 J10.23
/EPAPER DRIVER/RESE: J10.3 Q5.2 R32.1
/EPAPER DRIVER/VCOM: C28.1 J10.24
/EPAPER DRIVER/VGH: C24.1 J10.5
/EPAPER DRIVER/VGL: C26.1 J10.4
/EPAPER DRIVER/VPP: C25.1 J10.19
/EPAPER DRIVER/VSH: C23.1 J10.20
/EPAPER DRIVER/VSL: C27.1 J10.22
/EPD_BUSY: J10.9 U4.71
/EPD_CS: R26.2 U4.75 U8.17
/EPD_DC: U4.74 U8.16
/EPD_RESET: R27.2 U4.72 U8.15
/GPIO1: GPIO1.1 U4.5
/GPIO4: GPIO4.1 U4.39
/LED_1A: R59.2 U4.17
/LED_1R: R60.2 U4.16
/LED_2A: R47.2 U4.15
/LED_2R: R48.2 U4.13
/LED_3A: R55.2 U4.12
/LED_3R: R56.2 U4.52
/LED_4A: R57.2 U4.42
/LED_4R: R58.2 U4.91
/LED_5A: R42.2 U4.90
/LED_5R: R43.2 U4.89
/LED_BELL: R78.2 U4.1
/LED_FILAMENT: R74.2 U4.38
/LED_STAT: R44.2 U4.37
/MCURX-TO-FTDITX: R8.2 U4.2
/MCUTX-TO-FTDIRX: R9.1 U4.3
/MISO: J3.5 J7.1 MISO1.1 U4.22
/MOSI: J3.4 J7.4 MOSI1.1 U2.15 U4.21 U8.18
/NET_STAT: R30.2 U4.92
/OFFSIGNAL: SW9.8 U4.73
/OLED DRIVER/OLED_CS_3V3: J9.17 U2.1
/OLED DRIVER/OLED_DC_3V3: J9.19 U2.4
/OLED DRIVER/OLED_IREF: J9.7 R16.1
/OLED DRIVER/OLED_MOSI_3V3: J9.23 U2.6
/OLED DRIVER/OLED_RES_3V3: J9.18 U2.3
/OLED DRIVER/OLED_SCL_3V3: J9.22 U2.5
/OLED DRIVER/OLED_VCOMH: C41.1 J9.4
/OLED DRIVER/OLED_VLOGIC: C45.2 J9.5
/OLED DRIVER/OLED_VP: C40.1 J9.3
/OLED_CS: U2.20 U4.78
/OLED_DC: U2.17 U4.54
/OLED_RES: U2.18 U4.53
/POWSW4: J3.9 SW9.4
/RELAY_OFF: J6.4 U4.55
/RESET: C1.1 C10.2 J7.5 R1.1 RES1.1 U4.30
/RINGER+: R23.1 U4.43 U11.4
/RINGER-: R24.1 U4.44 U11.5
/SCK: J3.6 J7.3 SCK1.1 U2.16 U4.20 U8.20
/SD_CD: J3.7 U4.77
/SD_CS: J3.8 U4.76
/SIM_CLK: J6.8 U9.38
/SIM_IO: J6.9 U9.39
/SIM_RST: J6.7 U9.40
/SW_Alpha: SW3.1 U4.23
/SW_Beta: SW6.1 U4.25
/SW_CLEAR: SW4.1 U4.63
/SW_Fn: SW8.1 U4.26
/SW_HALL: MH3.1 MH8.1 U4.7
/SW_HOOK: SW7.1 U4.64
/SW_Lambda: SW5.1 U4.24
/SW_MODE1: SW1.4 U4.58
/SW_MODE2: SW1.3 U4.59
/SW_MODE3: SW1.1 U4.60
/SW_ROTARY: SW2.2 T3.1 U4.6
/USB PORT AND BRIDGE/16U2_MISO: 16MISO1.1 J17.1 U1.17
/USB PORT AND BRIDGE/16U2_MOSI: 16MOSI1.1 J17.4 U1.16
/USB PORT AND BRIDGE/16U2_RESET: 16RES1.1 J17.5 R18.1 U1.24
/USB PORT AND BRIDGE/16U2_SCK: 16SCK1.1 J17.3 U1.15
/USB PORT AND BRIDGE/FTDI-RESET: C10.1 U1.13
/USB PORT AND BRIDGE/FTDI-RX: R9.2 U1.8
/USB PORT AND BRIDGE/FTDI-TX: R8.1 U1.9
/VSIM: J6.6 U9.41
LL_OE: J6.5 R29.2 U2.10 U8.10 U10.10
Net-(C8-Pad1): C8.1 J1.A7 J1.B7 R7.2 USBD-1.1
Net-(C9-Pad1): C9.1 J1.A6 J1.B6 R6.2 USBD+1.1
Net-(C14-Pad1): C14.1 R20.2 SW9.5
Net-(C49-Pad1): C49.1 C52.2 L6.1 R38.1
Net-(D1-A): D1.2 R79.1
Net-(D1-K): D1.1 Q6.3
Net-(D2-A): D2.2 R17.1
Net-(D2-K): D2.1 U5.1
Net-(D3-A): D3.2 J1.A4 J1.A9 J1.B4 J1.B9 VBUS1.1
Net-(D3-K): C7.1 D3.1 L1.1
Net-(D4-A): D4.2 R10.2
Net-(D4-K): D4.1 U1.10
Net-(D5-A): D5.2 R11.2
Net-(D5-K): D5.1 U1.11
Net-(D6-A): D6.2 R15.1
Net-(D6-K): D6.1 Q7.3
Net-(D10-A): C21.2 D10.2 L3.2 Q5.3
Net-(D11-K): C21.1 D11.1 D12.2
Net-(D16-A1): C47.1 D16.1 L6.2 SW10.5
Net-(D17-A1): C60.1 C62.1 D17.1 L7.1 R66.2 R67.2
Net-(D18-A1): C61.1 C63.1 D18.1 L8.1 R68.2 R72.2
Net-(D22-A): D22.2 R44.1
Net-(D23-A): D23.2 L2.2 U7.3
Net-(D25-A1): D25.1 R45.1
Net-(D25-A2): D25.3 R46.1
Net-(D25-K1): D25.2 D27.2 D28.2 D29.2 D33.2 D34.2 Q8.3
Net-(D25-K2): D25.4 D27.4 D28.4 D29.4 D33.4 D34.4 Q9.3
Net-(D26-A1): D26.1 R47.1
Net-(D26-A2): D26.3 R48.1
Net-(D27-A1): D27.1 R49.1
Net-(D27-A2): D27.3 R50.1
Net-(D28-A1): D28.1 R51.1
Net-(D28-A2): D28.3 R52.1
Net-(D29-A1): D29.1 R53.1
Net-(D29-A2): D29.3 R54.1
Net-(D30-A1): D30.1 R55.1
Net-(D30-A2): D30.3 R56.1
Net-(D31-A1): D31.1 R57.1
Net-(D31-A2): D31.3 R58.1
Net-(D32-A1): D32.1 R59.1
Net-(D32-A2): D32.3 R60.1
Net-(D33-A1): D33.1 R61.1
Net-(D33-A2): D33.3 R62.1
Net-(D34-A1): D34.1 R63.1
Net-(D34-A2): D34.3 R64.1
Net-(J1-CC1): J1.A5 R5.1
Net-(J1-CC2): J1.B5 R4.1
Net-(J2-Pin_1): C11.2 J2.1 Q3.4 TP1.1 TP3.1 U3.4
Net-(J8-Pad2): J8.2 R71.1 U13.1
Net-(J8-Pad4): J8.4 SW10.6
Net-(MK1-+): J8.12 MK1.2
Net-(MK1--): MK1.1 R35.1
Net-(Q1-D): Q1.3 T15.1 U9.18
Net-(Q1-G): Q1.1 R40.1
Net-(Q2-D): Q2.3 T14.1 U9.15
Net-(Q2-G): Q2.1 R65.1
Net-(Q3-D-Pad1): Q3.1 Q4.1
Net-(Q3-D-Pad2): Q3.2 Q4.2
Net-(Q3-D-Pad5): Q3.5 Q4.5
Net-(Q3-D-Pad6): Q3.6 Q4.6
Net-(Q3-G): Q3.3 U3.3
Net-(Q4-G): Q4.3 U3.2
Net-(Q6-B): Q6.1 R78.1
Net-(Q7-B): Q7.1 R74.1
Net-(Q8-B): Q8.1 R42.1
Net-(Q9-B): Q9.1 R43.1
Net-(R2-Pad1): R2.1 R3.1 Y1.3
Net-(R20-Pad1): R20.1 SW9.3
Net-(R69-Pad2): R69.2 R70.1 U13.9
Net-(T1-Pad1): T1.1 U9.33
Net-(U1-D+): R6.1 U1.29
Net-(U1-D-): R7.1 U1.30
Net-(U1-PC0/XTAL2): U1.2 Y2.3
Net-(U1-UCAP): C66.1 U1.27
Net-(U1-XTAL1): U1.1 Y2.1
Net-(U2-A6): R25.1 U2.7 U2.8 U2.9 U2.12 U2.13 U2.14
Net-(U3-BAT): C11.1 R12.2 U3.5
Net-(U3-V-): R13.2 U3.6
Net-(U4-PD7): R28.1 R29.1 U4.50
Net-(U4-XTAL1): R2.2 U4.34 Y1.1
Net-(U4-XTAL2): R3.2 U4.33
Net-(U5-PROG): R14.2 U5.5
Net-(U6-EN): R19.1 R73.2 U6.3
Net-(U7-V_FB): R21.2 R22.1 U7.1
Net-(U8-A6): R75.1 U8.7 U8.8 U8.9 U8.12 U8.13 U8.14
Net-(U9-GPIO5): T13.1 U9.42
Net-(U10-A7): R33.1 U10.8 U10.9 U10.12 U10.13
Net-(U11-OUT1): L4.1 U11.1
Net-(U11-OUT2): L4.2 U11.7
Net-(U12-*IRQ): R39.2 U12.19
Net-(U12-MICBIAS): C50.1 R38.2 U12.1
Net-(U12-MICLN): C51.1 U12.22
Net-(U12-MICLP): C52.1 U12.23
Net-(U12-OUTN): L8.2 U12.8
Net-(U12-OUTP): L7.2 U12.7
Net-(U12-PREG): C53.1 U12.3
Net-(U12-REF): C54.1 U12.4
Net-(U12-REG): C55.1 U12.2
Net-(U13A--): R67.1 R69.1 R71.2 U13.2
Net-(U13B--): R68.1 R70.2 U13.8

Pads without a net: FID1 ~; FID2 ~; FID3 ~; FID4 ~; FID5 ~; FID6 ~; J1 A2 A3 A8 A10 A11 B2 B3 B8 B10 B11; J6 10; J8 3 10 11; J9 1 9 30; J10 1 6 7; MH9 1; MH10 1; Q3 7 8; Q4 7 8; SW2 3; SW9 1 6 7 10 11 12; SW10 1 2 3 4; T4 1; T5 1; T6 1; T7 1; U1 5 6 7 12 14 18 19 20 21 22 23 25 26; U3 1; U4 4 8 9 14 19 27 28 29 35 36 40 41 47 48 49 51 65 66 67 68 69 70 79 83 84 85 86 87 88; U6 4; U7 4 6; U9 16 23 24 59 91 97 98; U11 9; U12 20 21 25

## Via types
v1: diameter 0.6, hole 0.3, L1_GND+GNDA.Cu to L6_GND.Cu, 479 vias

## Routing (per net, layer and track width the routed paths; a pad name or vN(x,y) marks a point on that pad's centre or on a via; arc(x,y) is an arc through that point)
+1V8: length 133.8
  L1_GND+GNDA.Cu w0.2: U9.4 30.3,75.1 v1(30.18,74.98)
  L1_GND+GNDA.Cu w0.35: v1(55.45,20.1) 54.67,19.32 J6.11
  L2_3v3+GNDA.Cu w0.18: v1(46.65,87.65) 46.91,87.39 50.65,87.39 v1(51.28,88.03)
  L2_3v3+GNDA.Cu w0.5: v1(51.28,88.03) 49.25,85.99 49.25,76.85 49.41,76.69 49.41,74.5 v1(49.08,74.17)
  L3_3v8+GNDA.Cu w0.2: v1(40.6,87) 40.6,87.05 41.2,87.65 ; v1(46.65,87.65) 46.15,88.15 42.48,88.15 41.98,87.65 41.2,87.65 ; 41.2,87.65 40.38,88.47 v1(40.38,89.31)
  L4_GND.Cu w0.5: 66.5,37.95 65.98,38.47 65.98,50.82 66.95,51.79 66.95,62.2 64.5,62.2 52.53,74.17 v1(49.08,74.17) ; 66.5,37.95 66.5,38.6 ; 66.5,37.95 66.5,29.04 59.3,21.84 59.3,21.4 58,20.1 v1(55.45,20.1)
  L6_GND.Cu w0.2: 50,87.96 49.06,87.96 ; 40.95,86.65 v1(41.9,86.65) ; v1(51.28,88.03) 51.22,87.96 C59.1 ; 46.02,85.7 46.16,85.84 46.16,86.86 46.65,87.35 v1(46.65,87.65) 46.2,88.1 44.95,88.1 44.35,88.7 44.35,89.06 R37.1 ; C39.1 29.69,81.95 30.7,80.93 30.7,79.81 30.65,79.76 30.65,77.23 30.05,76.63 T12.1 ; R36.1 40.38,89.37 v1(40.38,89.31) ; C58.1 49.55,87.41 49.55,84.85 49.23,84.52 49.23,82.72 ; 44.7,88.2 44.65,88.15 44.65,86.45
  L6_GND.Cu w0.35: C39.1 29.63,82.24 ; 41.8,85.7 41.8,85.8 v1(40.6,87)
